# KiCad board alpha-curISO.kicad_pcb
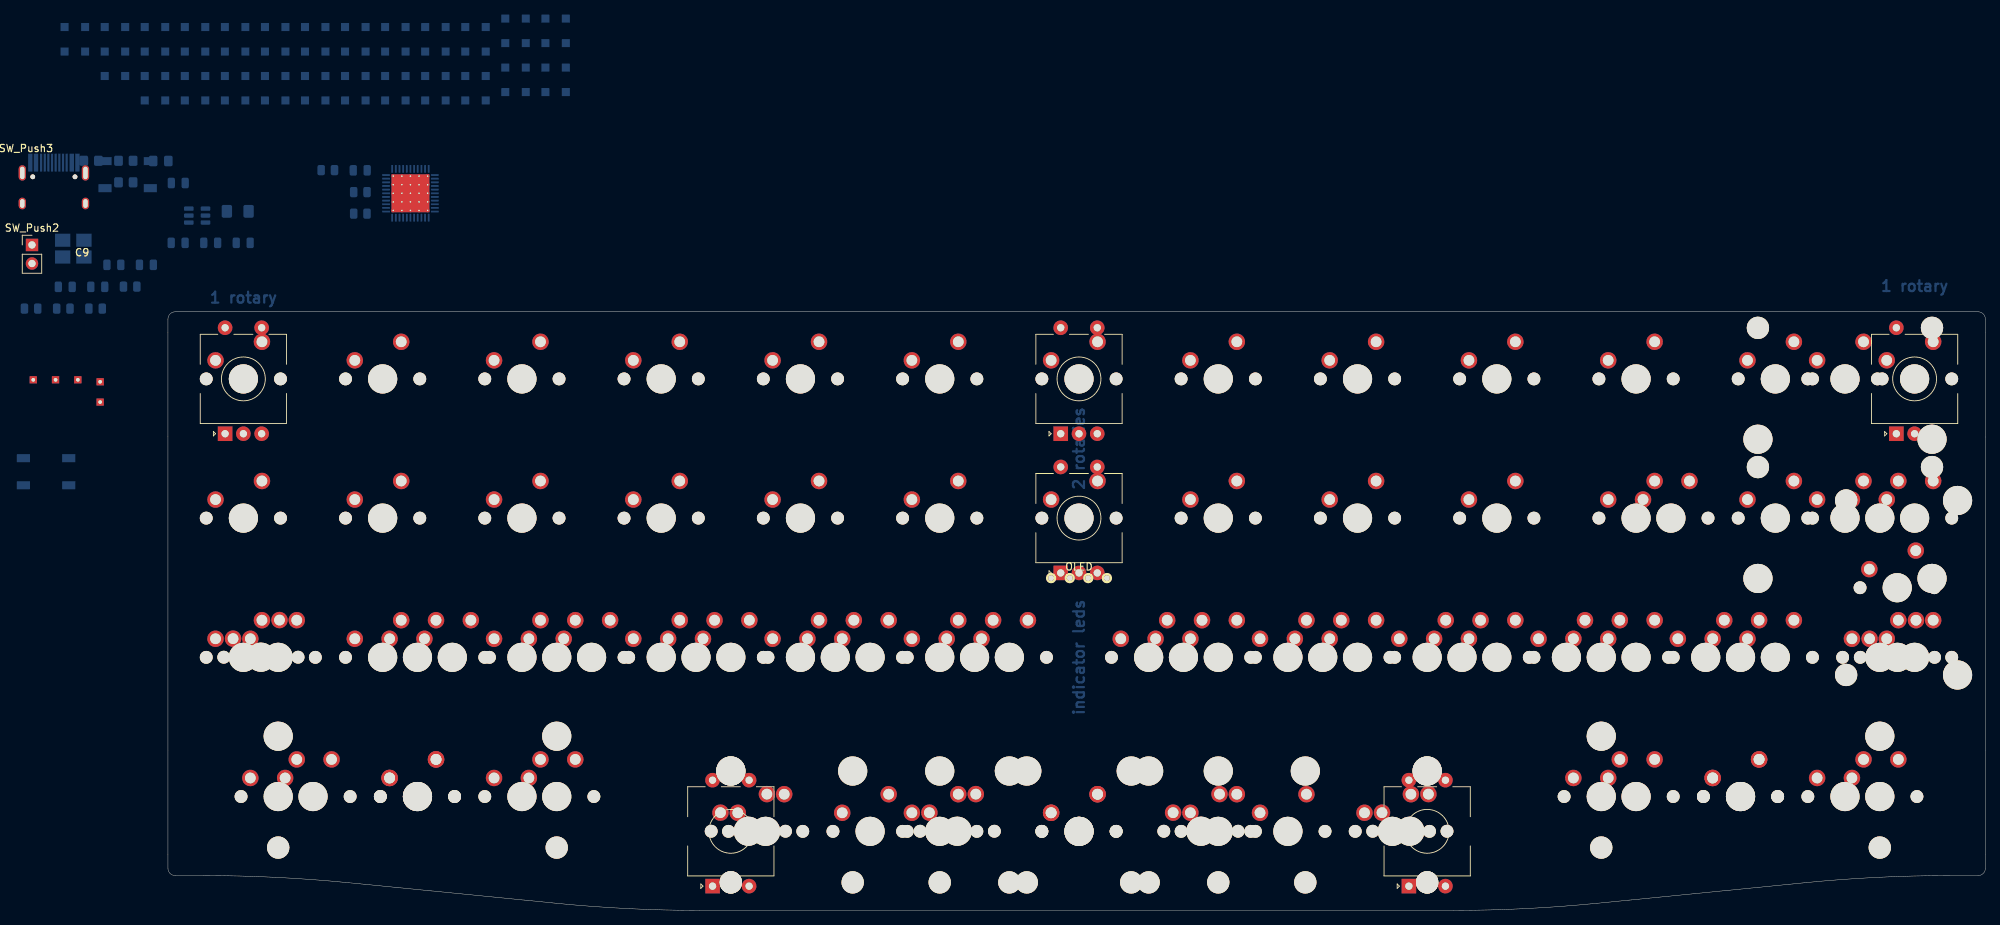
[diagram p0: board, top side]
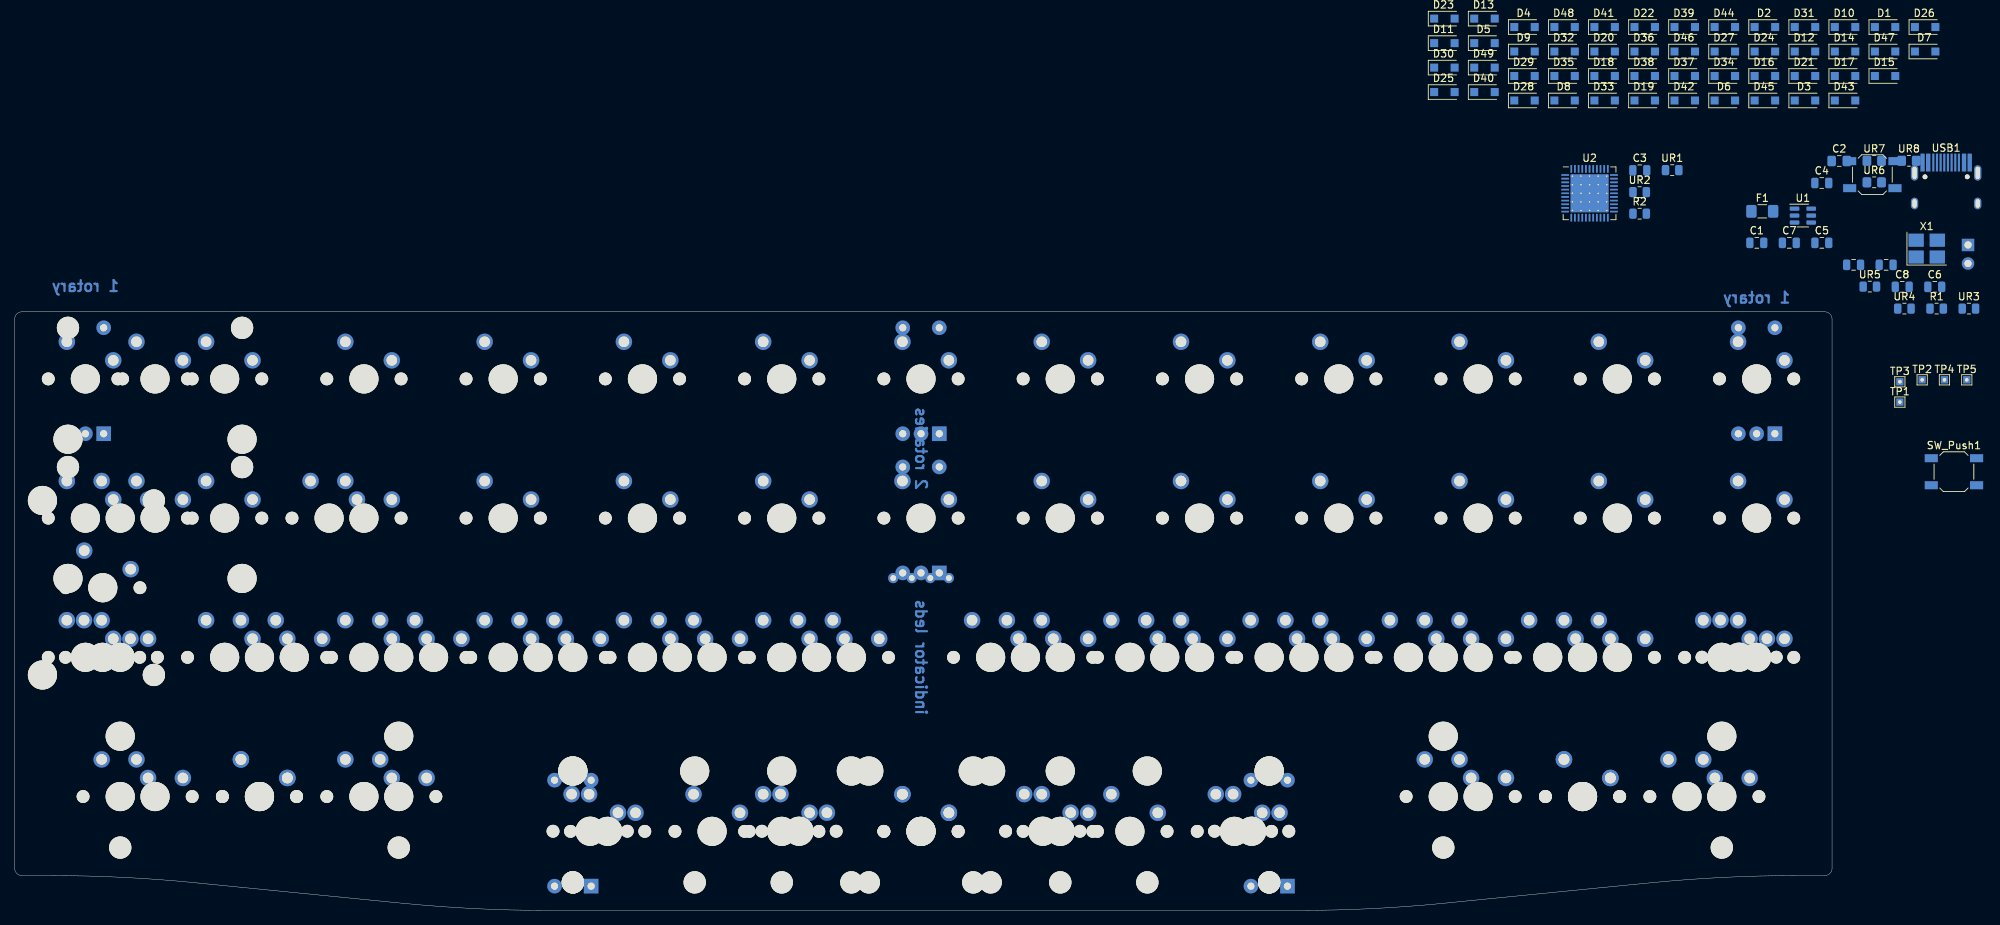
[diagram p1: board, bottom side, seen from below]

Outline 248.6 x 81.91 mm; copper layers: Top, Bottom. Coordinates in mm from the lower left corner of the outline.
Outline path: 0,80.91 0,79.03 0,64.79 0,21.88 0,5.76 arc(0.29,5.06) 1,4.76 4.89,4.76 arc(14.82,4.52) 24.74,3.78 53.18,0.97 arc(62.95,0.24) 72.74,0 175.86,0 arc(185.65,0.24) 195.42,0.97 223.86,3.78 arc(233.78,4.52) 243.72,4.76 247.6,4.76 arc(248.31,5.06) 248.6,5.76 248.6,80.91 arc(248.31,81.62) 247.6,81.91 1,81.91 arc(0.29,81.62) 0,80.91

## Placement (name value [footprint] x y rotation side)
C1  4.7uF  [C_0805_2012Metric]  10.3 91.35 180 bottom
C2  2.2uF  [C_0805_2012Metric_Pad1.18x1.45mm_HandSolder]  -0.98 102.55 180 bottom
C3  1uf  [C_0805_2012Metric]  26.3 101.27 180 bottom
C4  10uF  [C_0805_2012Metric]  1.41 99.54 180 bottom
C5  0.1uf  [C_0805_2012Metric]  1.4 91.35 180 bottom
C6  0.1uf  [C_0805_2012Metric]  -14.05 85.33 180 bottom
C7  0.1uf  [C_0805_2012Metric]  5.85 91.35 180 bottom
C8  0.1uf  [C_0805_2012Metric]  -9.6 85.33 180 bottom
C9  22p  [C_0805_2012Metric]  -2.95 88.34 180 bottom
C10  22p  [C_0805_2012Metric]  -7.4 88.34 180 bottom
D1  D_Small  [D_SOD-123F]  -7.25 120.88 180 bottom
D2  D_Small  [D_SOD-123F]  9.19 120.88 180 bottom
D3  D_Small  [D_SOD-123F]  3.71 110.83 180 bottom
D4  D_Small  [D_SOD-123F]  42.07 120.88 180 bottom
D5  D_Small  [D_SOD-123F]  47.55 118.68 180 bottom
D6  D_Small  [D_SOD-123F]  14.67 110.83 180 bottom
D7  D_Small  [D_SOD-123F]  -12.73 117.53 180 bottom
D8  D_Small  [D_SOD-123F]  36.59 110.83 180 bottom
D9  D_Small  [D_SOD-123F]  42.07 117.53 180 bottom
D10  D_Small  [D_SOD-123F]  -1.77 120.88 180 bottom
D11  D_Small  [D_SOD-123F]  53.03 118.68 180 bottom
D12  D_Small  [D_SOD-123F]  3.71 117.53 180 bottom
D13  D_Small  [D_SOD-123F]  47.55 122.03 180 bottom
D14  D_Small  [D_SOD-123F]  -1.77 117.53 180 bottom
D15  D_Small  [D_SOD-123F]  -7.25 114.18 180 bottom
D16  D_Small  [D_SOD-123F]  9.19 114.18 180 bottom
D17  D_Small  [D_SOD-123F]  -1.77 114.18 180 bottom
D18  D_Small  [D_SOD-123F]  31.11 114.18 180 bottom
D19  D_Small  [D_SOD-123F]  25.63 110.83 180 bottom
D20  D_Small  [D_SOD-123F]  31.11 117.53 180 bottom
D21  D_Small  [D_SOD-123F]  3.71 114.18 180 bottom
D22  D_Small  [D_SOD-123F]  25.63 120.88 180 bottom
D23  D_Small  [D_SOD-123F]  53.03 122.03 180 bottom
D24  D_Small  [D_SOD-123F]  9.19 117.53 180 bottom
D25  D_Small  [D_SOD-123F]  53.03 111.98 180 bottom
D26  D_Small  [D_SOD-123F]  -12.73 120.88 180 bottom
D27  D_Small  [D_SOD-123F]  14.67 117.53 180 bottom
D28  D_Small  [D_SOD-123F]  42.07 110.83 180 bottom
D29  D_Small  [D_SOD-123F]  42.07 114.18 180 bottom
D30  D_Small  [D_SOD-123F]  53.03 115.33 180 bottom
D31  D_Small  [D_SOD-123F]  3.71 120.88 180 bottom
D32  D_Small  [D_SOD-123F]  36.59 117.53 180 bottom
D33  D_Small  [D_SOD-123F]  31.11 110.83 180 bottom
D34  D_Small  [D_SOD-123F]  14.67 114.18 180 bottom
D35  D_Small  [D_SOD-123F]  36.59 114.18 180 bottom
D36  D_Small  [D_SOD-123F]  25.63 117.53 180 bottom
D37  D_Small  [D_SOD-123F]  20.15 114.18 180 bottom
D38  D_Small  [D_SOD-123F]  25.63 114.18 180 bottom
D39  D_Small  [D_SOD-123F]  20.15 120.88 180 bottom
D40  D_Small  [D_SOD-123F]  47.55 111.98 180 bottom
D41  D_Small  [D_SOD-123F]  31.11 120.88 180 bottom
D42  D_Small  [D_SOD-123F]  20.15 110.83 180 bottom
D43  D_Small  [D_SOD-123F]  -1.77 110.83 180 bottom
D44  D_Small  [D_SOD-123F]  14.67 120.88 180 bottom
D45  D_Small  [D_SOD-123F]  9.19 110.83 180 bottom
D46  D_Small  [D_SOD-123F]  20.15 117.53 180 bottom
D47  D_Small  [D_SOD-123F]  -7.25 117.53 180 bottom
D48  D_Small  [D_SOD-123F]  36.59 120.88 180 bottom
D49  D_Small  [D_SOD-123F]  47.55 115.33 180 bottom
F1  Polyfuse_Small  [Fuse_1206_3216Metric_Pad1.42x1.75mm_HandSolder]  9.55 95.66 180 bottom
OL1  OLED  [OLED_v2]  124.62 45.47 0 top
R1  10k  [R_0805_2012Metric]  -14.31 82.35 180 bottom
R2  10k  [R_0805_2012Metric]  26.32 95.34 180 bottom
SW1  SW_Push_45deg  [MXOnly-1U-NoLED]  10.32 72.73 0 top
SW2  SW_Push_45deg  [MXOnly-1U-NoLED]  29.37 72.73 0 top
SW3  SW_Push_45deg  [MXOnly-1U-NoLED]  48.42 72.73 0 top
SW4  SW_Push_45deg  [MXOnly-1U-NoLED]  67.47 72.73 0 top
SW5  SW_Push_45deg  [MXOnly-1U-NoLED]  86.52 72.73 0 top
SW6  SW_Push_45deg  [MXOnly-1U-NoLED]  105.57 72.73 0 top
SW7  SW_Push_45deg  [MXOnly-1U-NoLED]  124.62 72.73 0 top
SW8  SW_Push_45deg  [MXOnly-1U-NoLED]  143.67 72.73 0 top
SW9  SW_Push_45deg  [MXOnly-1U-NoLED]  162.72 72.73 0 top
SW10  SW_Push_45deg  [MXOnly-1U-NoLED]  181.77 72.73 0 top
SW11  SW_Push_45deg  [MXOnly-1U-NoLED]  200.82 72.73 0 top
SW12  SW_Push_45deg  [MXOnly-1U-NoLED]  219.87 72.73 0 top
SW12(2)1  SW_Push_45deg  [MXOnly-2U-NoLED]  229.39 72.73 0 top
SW13  SW_Push_45deg  [MXOnly-1U-NoLED]  238.92 72.73 0 top
SW14  SW_Push_45deg  [MXOnly-1U-NoLED]  10.32 53.68 0 top
SW15  SW_Push_45deg  [MXOnly-1U-NoLED]  29.37 53.68 0 top
SW16  SW_Push_45deg  [MXOnly-1U-NoLED]  48.42 53.68 0 top
SW17  SW_Push_45deg  [MXOnly-1U-NoLED]  67.47 53.68 0 top
SW18  SW_Push_45deg  [MXOnly-1U-NoLED]  86.52 53.68 0 top
SW19  SW_Push_45deg  [MXOnly-1U-NoLED]  105.57 53.68 0 top
SW20  SW_Push_45deg  [MXOnly-1U-NoLED]  124.62 53.68 0 top
SW21  SW_Push_45deg  [MXOnly-1U-NoLED]  143.67 53.68 0 top
SW22  SW_Push_45deg  [MXOnly-1U-NoLED]  162.72 53.68 0 top
SW23  SW_Push_45deg  [MXOnly-1U-NoLED]  181.77 53.68 0 top
SW24  SW_Push_45deg  [MXOnly-1U-NoLED]  200.82 53.68 0 top
SW24(1.5)1  SW_Push_45deg  [MXOnly-1.5U-NoLED]  205.58 53.68 0 top
SW25  SW_Push_45deg  [MXOnly-1U-NoLED]  219.87 53.68 0 top
SW25(1.5)1  SW_Push_45deg  [MXOnly-1.5U-NoLED]  234.16 53.68 0 top
SW26  SW_Push_45deg  [MXOnly-1U-NoLED]  238.92 53.68 0 top
SW26(2)1  SW_Push_45deg  [MXOnly-2U-NoLED]  229.39 53.68 0 top
SW26(ISO)1  SW_Push_45deg  [MXOnly-ISO-NoLED]  236.54 44.15 0 top
SW27(1.5)1  SW_Push_45deg  [MXOnly-1.5U-NoLED]  15.08 34.63 0 top
SW27(1.25)1  SW_Push_45deg  [MXOnly-1.25U-NoLED]  12.72 34.65 0 top
SW27(ortho)1  SW_Push_45deg  [MXOnly-1U-NoLED]  10.32 34.63 0 top
SW28  SW_Push_45deg  [MXOnly-1U-NoLED]  34.13 34.63 0 top
SW28(1.5stagger)1  SW_Push_45deg  [MXOnly-1U-NoLED]  38.89 34.63 0 top
SW28(ortho)1  SW_Push_45deg  [MXOnly-1U-NoLED]  29.37 34.63 0 top
SW29  SW_Push_45deg  [MXOnly-1U-NoLED]  53.18 34.63 0 top
SW29(1.5stagger)1  SW_Push_45deg  [MXOnly-1U-NoLED]  57.94 34.63 0 top
SW29(ortho)1  SW_Push_45deg  [MXOnly-1U-NoLED]  48.42 34.63 0 top
SW30  SW_Push_45deg  [MXOnly-1U-NoLED]  72.23 34.63 0 top
SW30(1.5stagger)1  SW_Push_45deg  [MXOnly-1U-NoLED]  76.99 34.63 0 top
SW30(ortho)1  SW_Push_45deg  [MXOnly-1U-NoLED]  67.47 34.63 0 top
SW31  SW_Push_45deg  [MXOnly-1U-NoLED]  91.28 34.63 0 top
SW31(1.5stagger)1  SW_Push_45deg  [MXOnly-1U-NoLED]  96.04 34.63 0 top
SW31(ortho)1  SW_Push_45deg  [MXOnly-1U-NoLED]  86.52 34.63 0 top
SW32  SW_Push_45deg  [MXOnly-1U-NoLED]  110.33 34.63 0 top
SW32(1.5stagger)1  SW_Push_45deg  [MXOnly-1U-NoLED]  115.09 34.63 0 top
SW32(ortho)1  SW_Push_45deg  [MXOnly-1U-NoLED]  105.57 34.63 0 top
SW33  SW_Push_45deg  [MXOnly-1U-NoLED]  138.91 34.63 0 top
SW33(1.5stagger)1  SW_Push_45deg  [MXOnly-1U-NoLED]  134.14 34.63 0 top
SW33(ortho)1  SW_Push_45deg  [MXOnly-1U-NoLED]  143.67 34.63 0 top
SW34  SW_Push_45deg  [MXOnly-1U-NoLED]  157.96 34.63 0 top
SW34(1.5stagger)1  SW_Push_45deg  [MXOnly-1U-NoLED]  153.19 34.63 0 top
SW34(ortho)1  SW_Push_45deg  [MXOnly-1U-NoLED]  162.72 34.63 0 top
SW35  SW_Push_45deg  [MXOnly-1U-NoLED]  177.01 34.63 0 top
SW35(1.5stagger)1  SW_Push_45deg  [MXOnly-1U-NoLED]  172.24 34.63 0 top
SW35(ortho)1  SW_Push_45deg  [MXOnly-1U-NoLED]  181.77 34.63 0 top
SW36  SW_Push_45deg  [MXOnly-1U-NoLED]  196.06 34.63 0 top
SW36(1.5stagger)1  SW_Push_45deg  [MXOnly-1U-NoLED]  191.29 34.63 0 top
SW36(ortho)1  SW_Push_45deg  [MXOnly-1U-NoLED]  200.82 34.63 0 top
SW37  SW_Push_45deg  [MXOnly-1U-NoLED]  215.11 34.63 0 top
SW37(1.5stagger)1  SW_Push_45deg  [MXOnly-1U-NoLED]  210.34 34.63 0 top
SW37(ortho)1  SW_Push_45deg  [MXOnly-1U-NoLED]  219.87 34.63 0 top
SW38(1.5)1  SW_Push_45deg  [MXOnly-1.5U-NoLED]  234.16 34.63 0 top
SW38(1.25)1  SW_Push_45deg  [MXOnly-1.25U-NoLED]  236.57 34.63 0 top
SW38(ortho)1  SW_Push_45deg  [MXOnly-1U-NoLED]  238.92 34.63 0 top
SW39  SW_Push_45deg  [MXOnly-1U-NoLED]  15.08 15.58 0 top
SW39(1.5)1  SW_Push_45deg  [MXOnly-1.5U-NoLED]  19.84 15.58 0 top
SW40  SW_Push_45deg  [MXOnly-1U-NoLED]  34.13 15.58 0 top
SW40(3)1  SW_Push_45deg  [MXOnly-3U-ReversedStabilizers-NoLED]  34.13 15.58 0 top
SW41  SW_Push_45deg  [MXOnly-1U-NoLED]  53.18 15.58 0 top
SW41(1.5)1  SW_Push_45deg  [MXOnly-1.5U-NoLED]  48.42 15.58 0 top
SW42(1.5)1  SW_Push_45deg  [MXOnly-1.5U-NoLED]  81.76 10.82 0 top
SW42(1.25)1  SW_Push_45deg  [MXOnly-1.25U-NoLED]  79.39 10.83 0 top
SW42(3)1  SW_Push_45deg  [MXOnly-3U-ReversedStabilizers-NoLED]  96.04 10.82 0 top
SW43(1.75)1  SW_Push_45deg  [MXOnly-1.75U-NoLED]  107.96 10.83 0 top
SW43(2)1  SW_Push_45deg  [MXOnly-2U-ReversedStabilizers-NoLED]  105.57 10.82 0 top
SW44(3)1  SW_Push_45deg  [MXOnly-3U-ReversedStabilizers-NoLED]  124.62 10.82 0 top
SW44(6)1  SW_Push_45deg  [MXOnly-6U-Centered-ReversedStabilizers-NoLED]  124.62 10.82 0 top
SW45(1.75)1  SW_Push_45deg  [MXOnly-1.75U-NoLED]  141.3 10.83 0 top
SW45(2)1  SW_Push_45deg  [MXOnly-2U-ReversedStabilizers-NoLED]  143.67 10.82 0 top
SW46(1.5)1  SW_Push_45deg  [MXOnly-1.5U-NoLED]  167.48 10.82 0 top
SW46(1.25)1  SW_Push_45deg  [MXOnly-1.25U-NoLED]  169.88 10.83 0 top
SW46(3)1  SW_Push_45deg  [MXOnly-3U-ReversedStabilizers-NoLED]  153.19 10.82 0 top
SW47  SW_Push_45deg  [MXOnly-1U-NoLED]  196.06 15.58 0 top
SW47(1.5)1  SW_Push_45deg  [MXOnly-1.5U-NoLED]  200.82 15.58 0 top
SW48  SW_Push_45deg  [MXOnly-1U-NoLED]  215.11 15.58 0 top
SW48(3)1  SW_Push_45deg  [MXOnly-3U-ReversedStabilizers-NoLED]  215.11 15.58 0 top
SW49  SW_Push_45deg  [MXOnly-1U-NoLED]  234.16 15.58 0 top
SW49(1.5)1  SW_Push_45deg  [MXOnly-1.5U-NoLED]  229.39 15.58 0 top
SW_Push1  SW_PUSH  [SW_SPST_SKQG_WithoutStem]  -16.67 60.03 180 bottom
SW_Push2  SW_PUSH  [PinHeader_1x02_P2.54mm_Vertical]  -18.6 91.06 0 top
SW_Push3  SW_PUSH  [SW_SPST_SKQG_WithoutStem]  -5.51 100.68 180 bottom
SW_rotary1  RotaryEncoder_Switch  [RotaryEncoder_EC11-no-legs]  10.32 72.73 90 top
SW_rotary2  RotaryEncoder_Switch  [RotaryEncoder_EC11-no-legs]  238.92 72.73 90 top
SW_rotary3  RotaryEncoder_Switch  [RotaryEncoder_EC11-no-legs]  124.62 72.73 90 top
SW_rotary4  RotaryEncoder_Switch  [RotaryEncoder_EC11-no-legs]  124.62 53.68 90 top
SW_rotary5  RotaryEncoder_Switch  [RotaryEncoder_EC11-no-legs]  76.99 10.82 90 top
SW_rotary6  RotaryEncoder_Switch  [RotaryEncoder_EC11-no-legs]  172.24 10.82 90 top
TP1  TPGND  [TestPoint_THTPad_1.0x1.0mm_Drill0.5mm]  -9.27 69.55 180 bottom
TP2  TPVCC  [TestPoint_THTPad_1.0x1.0mm_Drill0.5mm]  -12.32 72.6 180 bottom
TP3  TPCLK  [TestPoint_THTPad_1.0x1.0mm_Drill0.5mm]  -9.27 72.33 180 bottom
TP4  TPDATA  [TestPoint_THTPad_1.0x1.0mm_Drill0.5mm]  -15.37 72.6 180 bottom
TP5  TPRST  [TestPoint_THTPad_1.0x1.0mm_Drill0.5mm]  -18.42 72.6 180 bottom
U1  SRV05-4  [SOT-23-6]  4 95.08 180 bottom
U2  ATmega32U4-M  [QFN-44-1EP_7x7mm_P0.5mm_EP5.2x5.2mm_ThermalVias]  33.17 98.13 180 bottom
UR1  22  [R_0805_2012Metric]  21.87 101.3 180 bottom
UR2  22  [R_0805_2012Metric]  26.32 98.29 180 bottom
UR3  1M  [R_0805_2012Metric]  -18.72 82.35 180 bottom
UR4  5.1k  [R_0805_2012Metric]  -9.9 82.35 180 bottom
UR5  5.1k  [R_0805_2012Metric]  -5.17 85.36 180 bottom
UR6  100k  [R_0805_2012Metric_Pad1.20x1.40mm_HandSolder]  -5.76 99.63 180 bottom
UR7  4.7k  [R_0805_2012Metric_Pad1.20x1.40mm_HandSolder]  -5.76 102.58 180 bottom
UR8  4.7k  [R_0805_2012Metric_Pad1.20x1.40mm_HandSolder]  -10.51 102.58 180 bottom
USB1  HRO-TYPE-C-31-M-12  [HRO-TYPE-C-31-M-12-HandSoldering]  -15.6 94.13 180 bottom
X1  Crystal_GND24_Small  [Crystal_SMD_3225-4Pin_3.2x2.5mm_HandSoldering]  -12.95 90.56 180 bottom

## Footprints (pads in the part's own frame, mm; a bottom-side part is the same pattern mirrored in y, then rotated)
C_0805_2012Metric
  rrect 1x1.45 smd: 1(-0.95,0) 2(0.95,0)
C_0805_2012Metric_Pad1.18x1.45mm_HandSolder
  rrect 1.175x1.45 smd: 1(-1.038,0) 2(1.038,0)
Crystal_SMD_3225-4Pin_3.2x2.5mm_HandSoldering
  rect 2.1x1.8 smd: 1(-1.45,-1.15) 2(1.45,-1.15) 3(1.45,1.15) 4(-1.45,1.15)
D_SOD-123F
  rect 1.1x1.1 smd: 1(-1.4,0) 2(1.4,0)
Fuse_1206_3216Metric_Pad1.42x1.75mm_HandSolder
  rrect 1.425x1.75 smd: 1(-1.488,0) 2(1.488,0)
HRO-TYPE-C-31-M-12-HandSoldering
  round 0.65 hole 0.65 unplated: (-2.89,6.25) (2.89,6.25)
  rect 0.6x2.45 smd: 1(-3.225,8.195) 2(-2.45,8.195) 11(2.45,8.195) 12(3.225,8.195)
  rect 0.3x2.45 smd: 3(-1.75,8.195) 4(-1.25,8.195) 5(-0.75,8.195) 6(-0.25,8.195) 7(0.25,8.195) 8(0.75,8.195) 9(1.25,8.195) 10(1.75,8.195)
  oval 1x1.6 hole 0.6x1.2: 13(-4.32,2.6) 13(4.32,2.6)
  oval 1x2.1 hole 0.6x1.7: 13(-4.32,6.78) 13(4.32,6.78)
MXOnly-1.5U-NoLED
  round 1.75 hole 1.75 unplated: (-5.08,0) (5.08,0)
  round 3.988 hole 3.988 unplated: (0,0)
  round 2.25 hole 1.47: 1(-3.81,2.54) 2(2.54,5.08)
MXOnly-1.25U-NoLED
  round 1.75 hole 1.75 unplated: (-5.08,0) (5.08,0)
  round 3.988 hole 3.988 unplated: (0,0)
  round 2.25 hole 1.47: 1(-3.81,2.54) 2(2.54,5.08)
MXOnly-1.75U-NoLED
  round 1.75 hole 1.75 unplated: (-5.08,0) (5.08,0)
  round 3.988 hole 3.988 unplated: (0,0)
  round 2.25 hole 1.47: 1(-3.81,2.54) 2(2.54,5.08)
MXOnly-1U-NoLED
  round 1.75 hole 1.75 unplated: (-5.08,0) (5.08,0)
  round 3.988 hole 3.988 unplated: (0,0)
  round 2.25 hole 1.47: 1(-3.81,2.54) 2(2.54,5.08)
MXOnly-2U-NoLED
  round 3.048 hole 3.048 unplated: (-11.906,6.985) (11.906,6.985)
  round 3.988 hole 3.988 unplated: (-11.906,-8.255) (0,0) (11.906,-8.255)
  round 1.75 hole 1.75 unplated: (-5.08,0) (5.08,0)
  round 2.25 hole 1.47: 1(-3.81,2.54) 2(2.54,5.08)
MXOnly-2U-ReversedStabilizers-NoLED
  round 3.988 hole 3.988 unplated: (-11.906,8.255) (0,0) (11.906,8.255)
  round 3.048 hole 3.048 unplated: (-11.906,-6.985) (11.906,-6.985)
  round 1.75 hole 1.75 unplated: (-5.08,0) (5.08,0)
  round 2.25 hole 1.47: 1(-3.81,2.54) 2(2.54,5.08)
MXOnly-3U-ReversedStabilizers-NoLED
  round 3.988 hole 3.988 unplated: (-19.05,8.255) (0,0) (19.05,8.255)
  round 3.048 hole 3.048 unplated: (-19.05,-6.985) (19.05,-6.985)
  round 1.75 hole 1.75 unplated: (-5.08,0) (5.08,0)
  round 2.25 hole 1.47: 1(-3.81,2.54) 2(2.54,5.08)
MXOnly-6U-Centered-ReversedStabilizers-NoLED
  round 3.988 hole 3.988 unplated: (-47.625,8.255) (0,0) (47.625,8.255)
  round 3.048 hole 3.048 unplated: (-47.625,-6.985) (47.625,-6.985)
  round 1.75 hole 1.75 unplated: (-5.08,0) (5.08,0)
  round 2.25 hole 1.47: 1(-3.81,2.54) 2(2.54,5.08)
MXOnly-ISO-NoLED
  round 3.048 hole 3.048 unplated: (-6.985,11.938) (-6.985,-11.938)
  round 1.75 hole 1.75 unplated: (-5.08,0) (5.08,0)
  round 3.988 hole 3.988 unplated: (0,0) (8.255,11.938) (8.255,-11.938)
  round 2.25 hole 1.47: 1(-3.81,2.54) 2(2.54,5.08)
OLED_v2
  round 1.397 hole 0.813: 1(-3.81,0) 2(-1.27,0) 3(1.27,0) 4(3.81,0)
PinHeader_1x02_P2.54mm_Vertical
  rect 1.7x1.7 hole 1: 1(0,0)
  oval 1.7x1.7 hole 1: 2(0,-2.54)
QFN-44-1EP_7x7mm_P0.5mm_EP5.2x5.2mm_ThermalVias
  rrect 1.007x1.007 smd: (-1.762,-1.762) (-1.762,-0.588) (-1.762,0.588) (-1.762,1.762) (-0.588,-1.762) (-0.588,-0.588) (-0.588,0.588) (-0.588,1.762) (0.588,-1.762) (0.588,-0.588) (0.588,0.588) (0.588,1.762) (1.762,-1.762) (1.762,-0.588) (1.762,0.588) (1.762,1.762)
  rrect 1.075x0.25 smd: 1(-3.337,2.5) 2(-3.337,2) 3(-3.337,1.5) 4(-3.337,1) 5(-3.337,0.5) 6(-3.337,0) 7(-3.337,-0.5) 8(-3.337,-1) 9(-3.337,-1.5) 10(-3.337,-2) 11(-3.337,-2.5) 23(3.337,-2.5) 24(3.337,-2) 25(3.337,-1.5) 26(3.337,-1) 27(3.337,-0.5) 28(3.337,0) 29(3.337,0.5) 30(3.337,1) 31(3.337,1.5) 32(3.337,2) 33(3.337,2.5)
  rrect 0.25x1.075 smd: 12(-2.5,-3.337) 13(-2,-3.337) 14(-1.5,-3.337) 15(-1,-3.337) 16(-0.5,-3.337) 17(0,-3.337) 18(0.5,-3.337) 19(1,-3.337) 20(1.5,-3.337) 21(2,-3.337) 22(2.5,-3.337) 34(2.5,3.337) 35(2,3.337) 36(1.5,3.337) 37(1,3.337) 38(0.5,3.337) 39(0,3.337) 40(-0.5,3.337) 41(-1,3.337) 42(-1.5,3.337) 43(-2,3.337) 44(-2.5,3.337)
  round 0.5 hole 0.2: 45(-2.35,-2.35) 45(-2.35,-1.175) 45(-2.35,0) 45(-2.35,1.175) 45(-2.35,2.35) 45(-1.175,-2.35) 45(-1.175,-1.175) 45(-1.175,0) 45(-1.175,1.175) 45(-1.175,2.35) 45(0,-2.35) 45(0,-1.175) 45(0,0) 45(0,1.175) 45(0,2.35) 45(1.175,-2.35) 45(1.175,-1.175) 45(1.175,0) 45(1.175,1.175) 45(1.175,2.35) 45(2.35,-2.35) 45(2.35,-1.175) 45(2.35,0) 45(2.35,1.175) 45(2.35,2.35)
  rect 5.2x5.2 smd far side: 45(0,0)
  rect 5.2x5.2 smd: 45(0,0)
R_0805_2012Metric
  rrect 1.025x1.4 smd: 1(-0.912,0) 2(0.912,0)
R_0805_2012Metric_Pad1.20x1.40mm_HandSolder
  rrect 1.2x1.4 smd: 1(-1,0) 2(1,0)
RotaryEncoder_EC11-no-legs
  rect 2x2 hole 1: A(-7.5,2.5)
  round 2 hole 1: B(-7.5,-2.5) C(-7.5,0) S1(7,-2.5) S2(7,2.5)
SOT-23-6
  rrect 1.325x0.6 smd: 1(-1.137,0.95) 2(-1.137,0) 3(-1.137,-0.95) 4(1.137,-0.95) 5(1.137,0) 6(1.137,0.95)
SW_SPST_SKQG_WithoutStem
  rect 1.8x1.1 smd: 1(-3.1,1.85) 1(3.1,1.85) 2(-3.1,-1.85) 2(3.1,-1.85)
TestPoint_THTPad_1.0x1.0mm_Drill0.5mm
  rect 1x1 hole 0.5: 1(0,0)

## Nets
+5V: C2.1 C4.1 C5.1 C6.1 C7.1 C8.1 F1.2 OL1.3 R1.2 TP2.1 U2.2 U2.7 U2.14 U2.24 U2.34 U2.44 UR7.2 UR8.1
GND: C1.1 C3.2 C4.2 C5.2 C6.2 C7.2 C8.2 C9.2 C10.2 OL1.4 R2.1 SW_Push1.1 SW_Push2.1 SW_Push3.1 TP1.1 U1.2 U2.5 U2.15 U2.23 U2.35 U2.43 U2.45 UR3.2 UR4.2 UR5.2 UR6.2 USB1.1 USB1.12 X1.2 X1.4
VCC: F1.1 U1.5 USB1.2 USB1.11
COL0: SW1.1 SW14.1 SW27(1.5)1.1 SW27(1.25)1.1 SW27(ortho)1.1 SW39.1 SW39(1.5)1.1
COL1: SW2.1 SW15.1 SW28.1 SW28(1.5stagger)1.1 SW28(ortho)1.1 SW40.1 SW40(3)1.1
COL2: SW3.1 SW16.1 SW29.1 SW29(1.5stagger)1.1 SW29(ortho)1.1 SW41.1 SW41(1.5)1.1
COL3: SW4.1 SW17.1 SW30.1 SW30(1.5stagger)1.1 SW30(ortho)1.1
COL4: SW5.1 SW18.1 SW31.1 SW31(1.5stagger)1.1 SW31(ortho)1.1 SW42(1.5)1.1 SW42(1.25)1.1 SW42(3)1.1
COL5: SW6.1 SW19.1 SW32.1 SW32(1.5stagger)1.1 SW32(ortho)1.1 SW43(1.75)1.1 SW43(2)1.1
COL6: SW8.1 SW21.1 SW33.1 SW33(1.5stagger)1.1 SW33(ortho)1.1 SW45(1.75)1.1 SW45(2)1.1
COL7: SW9.1 SW22.1 SW34.1 SW34(1.5stagger)1.1 SW34(ortho)1.1 SW46(1.5)1.1 SW46(1.25)1.1 SW46(3)1.1
COL8: SW10.1 SW23.1 SW35.1 SW35(1.5stagger)1.1 SW35(ortho)1.1
COL9: SW11.1 SW24.1 SW24(1.5)1.1 SW36.1 SW36(1.5stagger)1.1 SW36(ortho)1.1 SW47.1 SW47(1.5)1.1
COL11: SW12.1 SW12(2)1.1 SW25.1 SW25(1.5)1.1 SW37.1 SW37(1.5stagger)1.1 SW37(ortho)1.1 SW48.1 SW48(3)1.1
COL12: SW13.1 SW26.1 SW26(2)1.1 SW26(ISO)1.1 SW38(1.5)1.1 SW38(1.25)1.1 SW38(ortho)1.1 SW44(3)1.1 SW44(6)1.1 SW49.1 SW49(1.5)1.1
D+: U1.6 UR1.1 USB1.6 USB1.8
D-: U1.1 UR2.1 USB1.5 USB1.7
PD2: TP4.1 UR7.1
PD5: TP3.1 UR8.2
R_col3: SW7.1
R_col4: SW20.1
R_row1: D1.2 SW1.2
R_row2: D46.2 SW13.2
R_row3: D25.2 SW7.2
R_row4: D26.2 SW20.2
R_row5: D19.2 SW42(1.5)1.2 SW42(1.25)1.2 SW42(3)1.2
R_row6: D34.2 SW46(1.5)1.2 SW46(1.25)1.2 SW46(3)1.2
ROW0: D1.1 D5.1 D9.1 D13.1 D16.1 D20.1 D25.1 D27.1 D31.1 D35.1 D38.1 D42.1 D46.1
ROW1: D2.1 D6.1 D10.1 D14.1 D17.1 D21.1 D26.1 D28.1 D32.1 D36.1 D39.1 D43.1 D47.1
ROW2: D3.1 D7.1 D11.1 D15.1 D18.1 D22.1 D29.1 D33.1 D37.1 D40.1 D44.1 D48.1
ROW3: D4.1 D8.1 D12.1 D19.1 D23.1 D24.1 D30.1 D34.1 D41.1 D45.1 D49.1
RST: R1.1 SW_Push1.2 SW_Push2.2 SW_Push3.2 U2.13
SCL: OL1.2
SDA: OL1.1
XTAL1: C9.1 U2.17 X1.1
XTAL2: C10.1 U2.16 X1.3
Net-(C1-Pad2): C1.2 UR3.1 USB1.13
Net-(C2-Pad2): C2.2 TP5.1 UR6.1
Net-(C3-Pad1): C3.1 U2.6
Net-(D2-Pad2): D2.2 SW14.2
Net-(D3-Pad2): D3.2 SW27(1.5)1.2 SW27(1.25)1.2 SW27(ortho)1.2
Net-(D4-Pad2): D4.2 SW39.2 SW39(1.5)1.2
Net-(D5-Pad2): D5.2 SW2.2
Net-(D6-Pad2): D6.2 SW15.2
Net-(D7-Pad2): D7.2 SW28.2 SW28(1.5stagger)1.2 SW28(ortho)1.2
Net-(D8-Pad2): D8.2 SW40.2 SW40(3)1.2
Net-(D9-Pad2): D9.2 SW3.2
Net-(D10-Pad2): D10.2 SW16.2
Net-(D11-Pad2): D11.2 SW29.2 SW29(1.5stagger)1.2 SW29(ortho)1.2
Net-(D12-Pad2): D12.2 SW41.2 SW41(1.5)1.2
Net-(D13-Pad2): D13.2 SW4.2
Net-(D14-Pad2): D14.2 SW17.2
Net-(D15-Pad2): D15.2 SW30.2 SW30(1.5stagger)1.2 SW30(ortho)1.2
Net-(D16-Pad2): D16.2 SW5.2
Net-(D17-Pad2): D17.2 SW18.2
Net-(D18-Pad2): D18.2 SW31.2 SW31(1.5stagger)1.2 SW31(ortho)1.2
Net-(D20-Pad2): D20.2 SW6.2
Net-(D21-Pad2): D21.2 SW19.2
Net-(D22-Pad2): D22.2 SW32.2 SW32(1.5stagger)1.2 SW32(ortho)1.2
Net-(D23-Pad2): D23.2 SW43(1.75)1.2 SW43(2)1.2
Net-(D24-Pad2): D24.2 SW44(3)1.2 SW44(6)1.2
Net-(D27-Pad2): D27.2 SW8.2
Net-(D28-Pad2): D28.2 SW21.2
Net-(D29-Pad2): D29.2 SW33.2 SW33(1.5stagger)1.2 SW33(ortho)1.2
Net-(D30-Pad2): D30.2 SW45(1.75)1.2 SW45(2)1.2
Net-(D31-Pad2): D31.2 SW9.2
Net-(D32-Pad2): D32.2 SW22.2
Net-(D33-Pad2): D33.2 SW34.2 SW34(1.5stagger)1.2 SW34(ortho)1.2
Net-(D35-Pad2): D35.2 SW10.2
Net-(D36-Pad2): D36.2 SW23.2
Net-(D37-Pad2): D37.2 SW35.2 SW35(1.5stagger)1.2 SW35(ortho)1.2
Net-(D38-Pad2): D38.2 SW11.2
Net-(D39-Pad2): D39.2 SW24.2 SW24(1.5)1.2
Net-(D40-Pad2): D40.2 SW36.2 SW36(1.5stagger)1.2 SW36(ortho)1.2
Net-(D41-Pad2): D41.2 SW47.2 SW47(1.5)1.2
Net-(D42-Pad2): D42.2 SW12.2 SW12(2)1.2
Net-(D43-Pad2): D43.2 SW25.2 SW25(1.5)1.2
Net-(D44-Pad2): D44.2 SW37.2 SW37(1.5stagger)1.2 SW37(ortho)1.2
Net-(D45-Pad2): D45.2 SW48.2 SW48(3)1.2
Net-(D47-Pad2): D47.2 SW26.2 SW26(2)1.2 SW26(ISO)1.2
Net-(D48-Pad2): D48.2 SW38(1.5)1.2 SW38(1.25)1.2 SW38(ortho)1.2
Net-(D49-Pad2): D49.2 SW49.2 SW49(1.5)1.2
Net-(R2-Pad2): R2.2 U2.33
Net-(U2-Pad3): U2.3 UR2.2
Net-(U2-Pad4): U2.4 UR1.2
Net-(UR4-Pad1): UR4.1 USB1.4
Net-(UR5-Pad1): UR5.1 USB1.10

Pads without a net: SW_rotary1 A B C S1 S2; SW_rotary2 A B C S1 S2; SW_rotary3 A B C S1 S2; SW_rotary4 A B C S1 S2; SW_rotary5 A B C S1 S2; SW_rotary6 A B C S1 S2; U1 3 4; U2 1 8 9 10 11 12 18 19 20 21 22 25 26 27 28 29 30 31 32 36 37 38 39 40 41 42; USB1 3 9

## Text on the board
Bottom: 1 rotary | 2 rotaries | indicator leds
Top: EDGE CUT NEEDS TO BE ALIGNED TO FOOTPRINTS STILL
